# Altium PCB top_LM_v3.PcbDoc (part 5 of 6) (continued)
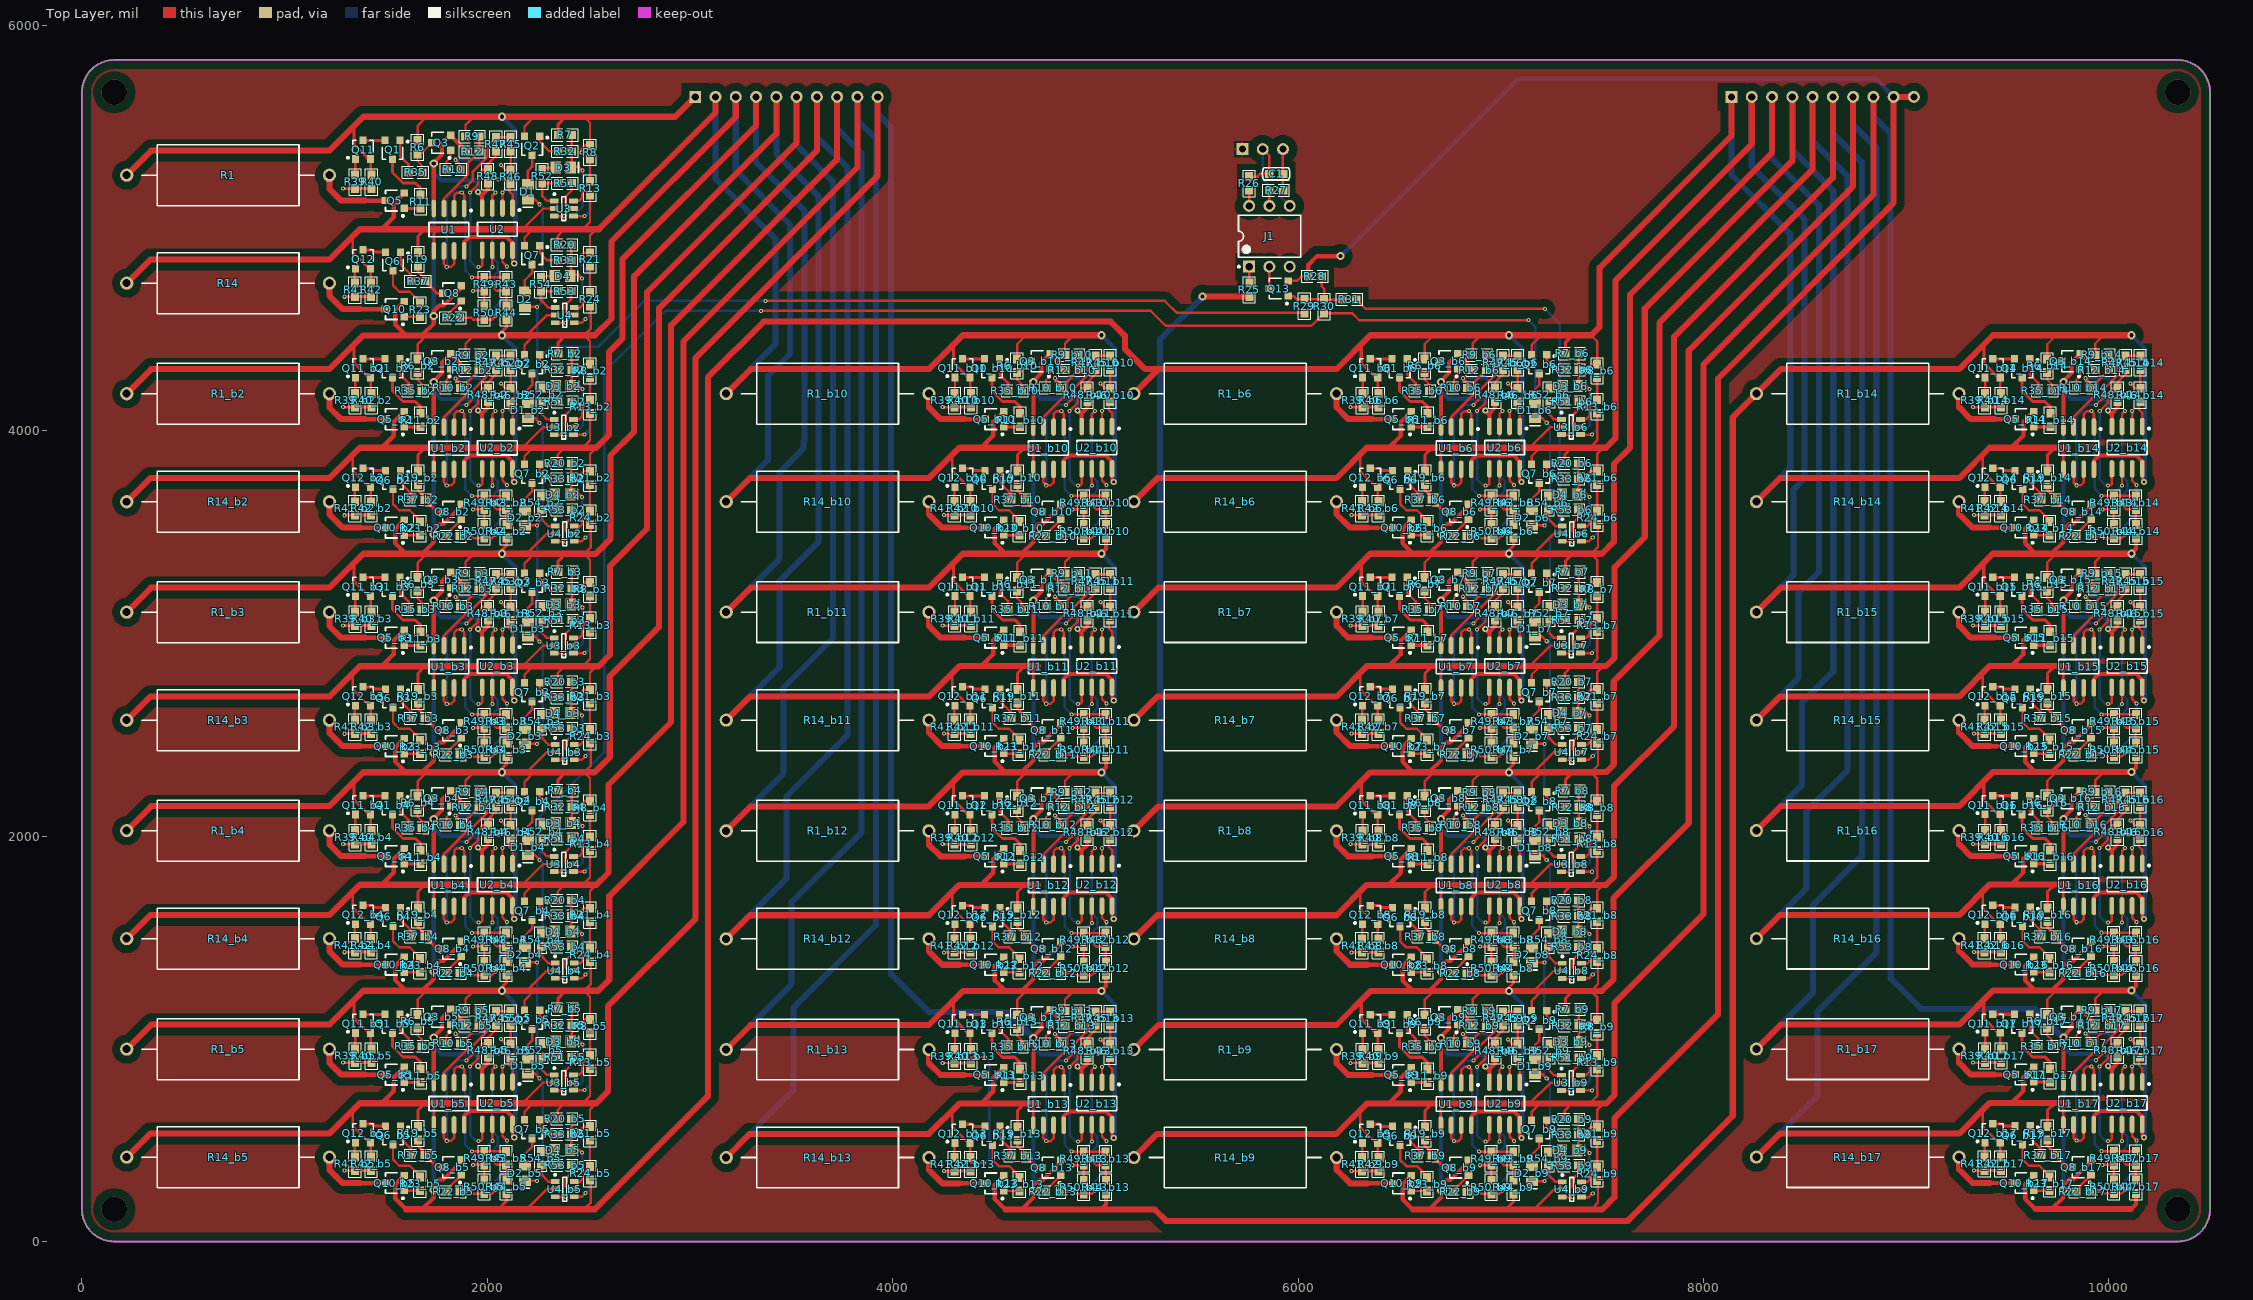
[diagram p0: Top Layer view]
## Nets (pads, with @x,y where several pads share a name; then routed paths per layer and width w, separated by ;. In a path a pad name is that pad's centre, name@x,y a point inside that pad or via, vN(x,y) a via of type N, cw(c..) or ccw(c..) an arc to the next point about the centre after c; other vN are vias at no path point) (continued)
  Top Layer w12: R22_b14.2@9838.36,3480.58 9838.36,3488.45 Q8_b14.1@9913.08,3563.18
NetQ8_b14_3: Q8_b14.3 R19_b14.1 R37_b14.1 | length 202.3
  Top Layer w15: R19_b14.1@9699.23,3734.86 R19_b14.1@9698.69,3735.39 9698.69,3707.32 9733.15,3672.86 R37_b14.1@9733.15,3660.32 9792.89,3600.58 Q8_b14.3@9820.56,3600.58
NetQ8_b15_1: Q8_b15.1 R22_b15.2 | length 113.6
  Top Layer w12: R22_b15.2@9838.11,2402.58 9838.11,2410.45 Q8_b15.1@9912.83,2485.18
NetQ8_b15_3: Q8_b15.3 R19_b15.1 R37_b15.1 | length 202.3
  Top Layer w15: R19_b15.1@9698.97,2656.86 R19_b15.1@9698.44,2657.39 9698.44,2629.32 9732.9,2594.86 R37_b15.1@9732.9,2582.32 9792.64,2522.58 Q8_b15.3@9820.31,2522.58
NetQ8_b16_1: Q8_b16.1 R22_b16.2 | length 113.6
  Top Layer w12: R22_b16.2@9838.11,1324.58 9838.11,1332.45 Q8_b16.1@9912.83,1407.18
NetQ8_b16_3: Q8_b16.3 R19_b16.1 R37_b16.1 | length 202.3
  Top Layer w15: R19_b16.1@9698.97,1578.86 R19_b16.1@9698.44,1579.39 9698.44,1551.32 9732.9,1516.86 R37_b16.1@9732.9,1504.32 9792.64,1444.58 Q8_b16.3@9820.31,1444.58
NetQ8_b17_1: Q8_b17.1 R22_b17.2 | length 113.6
  Top Layer w12: R22_b17.2@9838.11,246.58 9838.11,254.45 Q8_b17.1@9912.83,329.18
NetQ8_b17_3: Q8_b17.3 R19_b17.1 R37_b17.1 | length 202.3
  Top Layer w15: R19_b17.1@9698.97,500.86 R19_b17.1@9698.44,501.39 9698.44,473.32 9732.9,438.86 R37_b17.1@9732.9,426.32 9792.64,366.58 Q8_b17.3@9820.31,366.58
NetQ10_1: Q10.1 R23.1 | length 78.1
  Top Layer w12: Q10.1@1589.95,4563.45 R23.1@1668.01,4563.45
NetQ10_3: Q10.3 R14.1 | length 365.2
  Top Layer w22: 1372.69,4600.86 Q10.3@1497.43,4600.86
  Top Layer w30: R14.1@1220.82,4728.58 1220.82,4667.58 1287.55,4600.86 1372.69,4600.86
NetQ10_b2_1: Q10_b2.1 R23_b2.1 | length 78.1
  Top Layer w12: Q10_b2.1@1589.95,3485.13 R23_b2.1@1668.01,3485.13
NetQ10_b2_3: Q10_b2.3 R14_b2.1 | length 365.2
  Top Layer w22: 1372.69,3522.54 Q10_b2.3@1497.43,3522.53
  Top Layer w30: R14_b2.1@1220.82,3650.26 1220.82,3589.26 1287.55,3522.54 1372.69,3522.54
NetQ10_b3_1: Q10_b3.1 R23_b3.1 | length 78.1
  Top Layer w12: Q10_b3.1@1589.95,2407.13 R23_b3.1@1668.01,2407.13
NetQ10_b3_3: Q10_b3.3 R14_b3.1 | length 365.2
  Top Layer w22: 1372.69,2444.54 Q10_b3.3@1497.43,2444.53
  Top Layer w30: R14_b3.1@1220.82,2572.26 1220.82,2511.26 1287.55,2444.54 1372.69,2444.54
NetQ10_b4_1: Q10_b4.1 R23_b4.1 | length 78.1
  Top Layer w12: Q10_b4.1@1589.95,1329.13 R23_b4.1@1668.01,1329.13
NetQ10_b4_3: Q10_b4.3 R14_b4.1 | length 365.2
  Top Layer w22: 1372.69,1366.54 Q10_b4.3@1497.43,1366.54
  Top Layer w30: R14_b4.1@1220.82,1494.26 1220.82,1433.26 1287.55,1366.54 1372.69,1366.54
NetQ10_b5_1: Q10_b5.1 R23_b5.1 | length 78.1
  Top Layer w12: Q10_b5.1@1589.95,251.13 R23_b5.1@1668.01,251.13
NetQ10_b5_3: Q10_b5.3 R14_b5.1 | length 365.2
  Top Layer w22: 1372.69,288.54 Q10_b5.3@1497.43,288.53
  Top Layer w30: R14_b5.1@1220.82,416.26 1220.82,355.26 1287.55,288.54 1372.69,288.54
NetQ10_b6_1: Q10_b6.1 R23_b6.1 | length 78.1
  Top Layer w12: Q10_b6.1@6559.2,3485.45 R23_b6.1@6637.26,3485.45
NetQ10_b6_3: Q10_b6.3 R14_b6.1 | length 365.2
  Top Layer w22: 6341.94,3522.86 Q10_b6.3@6466.68,3522.86
  Top Layer w30: R14_b6.1@6190.08,3650.58 6190.08,3589.58 6256.8,3522.86 6341.94,3522.86
NetQ10_b7_1: Q10_b7.1 R23_b7.1 | length 78.1
  Top Layer w12: Q10_b7.1@6559.2,2407.45 R23_b7.1@6637.26,2407.45
NetQ10_b7_3: Q10_b7.3 R14_b7.1 | length 365.2
  Top Layer w22: 6341.94,2444.86 Q10_b7.3@6466.68,2444.86
  Top Layer w30: R14_b7.1@6190.08,2572.58 6190.08,2511.58 6256.8,2444.86 6341.94,2444.86
NetQ10_b8_1: Q10_b8.1 R23_b8.1 | length 78.1
  Top Layer w12: Q10_b8.1@6559.2,1328.45 R23_b8.1@6637.26,1328.45
NetQ10_b8_3: Q10_b8.3 R14_b8.1 | length 365.2
  Top Layer w22: 6341.94,1365.86 Q10_b8.3@6466.68,1365.86
  Top Layer w30: R14_b8.1@6190.08,1493.58 6190.08,1432.58 6256.8,1365.86 6341.94,1365.86
NetQ10_b9_1: Q10_b9.1 R23_b9.1 | length 78.1
  Top Layer w12: Q10_b9.1@6559.2,249.45 R23_b9.1@6637.26,249.45
NetQ10_b9_3: Q10_b9.3 R14_b9.1 | length 365.2
  Top Layer w22: 6341.94,286.86 Q10_b9.3@6466.68,286.86
  Top Layer w30: R14_b9.1@6190.08,414.58 6190.08,353.58 6256.8,286.86 6341.94,286.86
NetQ10_b10_1: Q10_b10.1 R23_b10.1 | length 78.1
  Top Layer w12: Q10_b10.1@4547.95,3485.45 R23_b10.1@4626.01,3485.45
NetQ10_b10_3: Q10_b10.3 R14_b10.1 | length 365.2
  Top Layer w22: 4330.69,3522.86 Q10_b10.3@4455.43,3522.86
  Top Layer w30: R14_b10.1@4178.82,3650.58 4178.82,3589.58 4245.55,3522.86 4330.69,3522.86
NetQ10_b11_1: Q10_b11.1 R23_b11.1 | length 78.1
  Top Layer w12: Q10_b11.1@4547.95,2407.45 R23_b11.1@4626.01,2407.45
NetQ10_b11_3: Q10_b11.3 R14_b11.1 | length 365.2
  Top Layer w22: 4330.69,2444.86 Q10_b11.3@4455.43,2444.86
  Top Layer w30: R14_b11.1@4178.82,2572.58 4178.82,2511.58 4245.55,2444.86 4330.69,2444.86
NetQ10_b12_1: Q10_b12.1 R23_b12.1 | length 78.1
  Top Layer w12: Q10_b12.1@4547.95,1328.45 R23_b12.1@4626.01,1328.45
NetQ10_b12_3: Q10_b12.3 R14_b12.1 | length 365.2
  Top Layer w22: 4330.69,1365.86 Q10_b12.3@4455.43,1365.86
  Top Layer w30: R14_b12.1@4178.82,1493.58 4178.82,1432.58 4245.55,1365.86 4330.69,1365.86
NetQ10_b13_1: Q10_b13.1 R23_b13.1 | length 78.1
  Top Layer w12: Q10_b13.1@4547.95,249.45 R23_b13.1@4626.01,249.45
NetQ10_b13_3: Q10_b13.3 R14_b13.1 | length 365.2
  Top Layer w22: 4330.69,286.86 Q10_b13.3@4455.43,286.86
  Top Layer w30: R14_b13.1@4178.82,414.58 4178.82,353.58 4245.55,286.86 4330.69,286.86
NetQ10_b14_1: Q10_b14.1 R23_b14.1 | length 78.1
  Top Layer w12: Q10_b14.1@9630.95,3485.45 R23_b14.1@9709.01,3485.45
NetQ10_b14_3: Q10_b14.3 R14_b14.1 | length 365.2
  Top Layer w22: 9413.69,3522.86 Q10_b14.3@9538.43,3522.86
  Top Layer w30: R14_b14.1@9261.82,3650.58 9261.82,3589.58 9328.55,3522.86 9413.69,3522.86
NetQ10_b15_1: Q10_b15.1 R23_b15.1 | length 78.1
  Top Layer w12: Q10_b15.1@9630.7,2407.45 R23_b15.1@9708.76,2407.45
NetQ10_b15_3: Q10_b15.3 R14_b15.1 | length 365.2
  Top Layer w22: 9413.44,2444.86 Q10_b15.3@9538.18,2444.86
  Top Layer w30: R14_b15.1@9261.57,2572.58 9261.57,2511.58 9328.3,2444.86 9413.44,2444.86
NetQ10_b16_1: Q10_b16.1 R23_b16.1 | length 78.1
  Top Layer w12: Q10_b16.1@9630.7,1329.45 R23_b16.1@9708.76,1329.45
NetQ10_b16_3: Q10_b16.3 R14_b16.1 | length 365.2
  Top Layer w22: 9413.44,1366.86 Q10_b16.3@9538.18,1366.86
  Top Layer w30: R14_b16.1@9261.57,1494.58 9261.57,1433.58 9328.3,1366.86 9413.44,1366.86
NetQ10_b17_1: Q10_b17.1 R23_b17.1 | length 78.1
  Top Layer w12: Q10_b17.1@9630.7,251.45 R23_b17.1@9708.76,251.45
NetQ10_b17_3: Q10_b17.3 R14_b17.1 | length 365.2
  Top Layer w22: 9413.44,288.86 Q10_b17.3@9538.18,288.86
  Top Layer w30: R14_b17.1@9261.57,416.58 9261.57,355.58 9328.3,288.86 9413.44,288.86
NetQ11_1: Q11.1 R39.2 | length 79.9
  Top Layer w12: R39.2@1347.82,5262.05 1349.42,5263.64 Q11.1@1349.42,5341.32
NetQ11_b2_1: Q11_b2.1 R39_b2.2 | length 79.9
  Top Layer w12: R39_b2.2@1347.82,4183.72 1349.42,4185.32 Q11_b2.1@1349.42,4263
NetQ11_b3_1: Q11_b3.1 R39_b3.2 | length 79.9
  Top Layer w12: R39_b3.2@1347.82,3105.72 1349.42,3107.32 Q11_b3.1@1349.42,3185
NetQ11_b4_1: Q11_b4.1 R39_b4.2 | length 79.9
  Top Layer w12: R39_b4.2@1347.82,2027.72 1349.42,2029.32 Q11_b4.1@1349.42,2107
NetQ11_b5_1: Q11_b5.1 R39_b5.2 | length 79.9
  Top Layer w12: R39_b5.2@1347.82,949.72 1349.42,951.32 Q11_b5.1@1349.42,1029
NetQ11_b6_1: Q11_b6.1 R39_b6.2 | length 79.9
  Top Layer w12: R39_b6.2@6317.08,4184.05 6318.67,4185.64 Q11_b6.1@6318.67,4263.32
NetQ11_b7_1: Q11_b7.1 R39_b7.2 | length 79.9
  Top Layer w12: R39_b7.2@6317.08,3106.05 6318.67,3107.64 Q11_b7.1@6318.67,3185.32
NetQ11_b8_1: Q11_b8.1 R39_b8.2 | length 79.9
  Top Layer w12: R39_b8.2@6317.08,2027.05 6318.67,2028.64 Q11_b8.1@6318.67,2106.32
NetQ11_b9_1: Q11_b9.1 R39_b9.2 | length 79.9
  Top Layer w12: R39_b9.2@6317.08,948.05 6318.67,949.64 Q11_b9.1@6318.67,1027.32
NetQ11_b10_1: Q11_b10.1 R39_b10.2 | length 79.9
  Top Layer w12: R39_b10.2@4305.82,4184.05 4307.42,4185.64 Q11_b10.1@4307.42,4263.32
NetQ11_b11_1: Q11_b11.1 R39_b11.2 | length 79.9
  Top Layer w12: R39_b11.2@4305.82,3106.05 4307.42,3107.64 Q11_b11.1@4307.42,3185.32
NetQ11_b12_1: Q11_b12.1 R39_b12.2 | length 79.9
  Top Layer w12: R39_b12.2@4305.82,2027.05 4307.42,2028.64 Q11_b12.1@4307.42,2106.32
NetQ11_b13_1: Q11_b13.1 R39_b13.2 | length 79.9
  Top Layer w12: R39_b13.2@4305.82,948.05 4307.42,949.64 Q11_b13.1@4307.42,1027.32
NetQ11_b14_1: Q11_b14.1 R39_b14.2 | length 79.9
  Top Layer w12: R39_b14.2@9388.82,4184.05 9390.42,4185.64 Q11_b14.1@9390.42,4263.32
NetQ11_b15_1: Q11_b15.1 R39_b15.2 | length 79.9
  Top Layer w12: R39_b15.2@9388.57,3106.05 9390.17,3107.64 Q11_b15.1@9390.17,3185.32
NetQ11_b16_1: Q11_b16.1 R39_b16.2 | length 79.9
  Top Layer w12: R39_b16.2@9388.57,2028.05 9390.17,2029.64 Q11_b16.1@9390.17,2107.32
NetQ11_b17_1: Q11_b17.1 R39_b17.2 | length 79.9
  Top Layer w12: R39_b17.2@9388.57,950.05 9390.17,951.64 Q11_b17.1@9390.17,1029.32
NetQ12_1: Q12.1 R41.1 | length 72.4
  Top Layer w12: R41.1@1346.82,4729.05 1346.82,4797.72 Q12.1@1349.42,4800.32
NetQ12_b2_1: Q12_b2.1 R41_b2.1 | length 72.4
  Top Layer w12: R41_b2.1@1346.82,3650.72 1346.82,3719.4 Q12_b2.1@1349.42,3722
NetQ12_b3_1: Q12_b3.1 R41_b3.1 | length 72.4
  Top Layer w12: R41_b3.1@1346.82,2572.72 1346.82,2641.4 Q12_b3.1@1349.42,2644
NetQ12_b4_1: Q12_b4.1 R41_b4.1 | length 72.4
  Top Layer w12: R41_b4.1@1346.82,1494.72 1346.82,1563.4 Q12_b4.1@1349.42,1566
NetQ12_b5_1: Q12_b5.1 R41_b5.1 | length 72.4
  Top Layer w12: R41_b5.1@1346.82,416.72 1346.82,485.4 Q12_b5.1@1349.42,488
NetQ12_b6_1: Q12_b6.1 R41_b6.1 | length 72.4
  Top Layer w12: R41_b6.1@6316.08,3651.05 6316.08,3719.72 Q12_b6.1@6318.67,3722.32
NetQ12_b7_1: Q12_b7.1 R41_b7.1 | length 72.4
  Top Layer w12: R41_b7.1@6316.08,2573.05 6316.08,2641.72 Q12_b7.1@6318.67,2644.32
NetQ12_b8_1: Q12_b8.1 R41_b8.1 | length 72.4
  Top Layer w12: R41_b8.1@6316.08,1494.05 6316.08,1562.72 Q12_b8.1@6318.67,1565.32
NetQ12_b9_1: Q12_b9.1 R41_b9.1 | length 72.4
  Top Layer w12: R41_b9.1@6316.08,415.05 6316.08,483.72 Q12_b9.1@6318.67,486.32
NetQ12_b10_1: Q12_b10.1 R41_b10.1 | length 72.4
  Top Layer w12: R41_b10.1@4304.82,3651.05 4304.82,3719.72 Q12_b10.1@4307.42,3722.32
NetQ12_b11_1: Q12_b11.1 R41_b11.1 | length 72.4
  Top Layer w12: R41_b11.1@4304.82,2573.05 4304.82,2641.72 Q12_b11.1@4307.42,2644.32
NetQ12_b12_1: Q12_b12.1 R41_b12.1 | length 72.4
  Top Layer w12: R41_b12.1@4304.82,1494.05 4304.82,1562.72 Q12_b12.1@4307.42,1565.32
NetQ12_b13_1: Q12_b13.1 R41_b13.1 | length 72.4
  Top Layer w12: R41_b13.1@4304.82,415.05 4304.82,483.72 Q12_b13.1@4307.42,486.32
NetQ12_b14_1: Q12_b14.1 R41_b14.1 | length 72.4
  Top Layer w12: R41_b14.1@9387.82,3651.05 9387.82,3719.72 Q12_b14.1@9390.42,3722.32
NetQ12_b15_1: Q12_b15.1 R41_b15.1 | length 72.4
  Top Layer w12: R41_b15.1@9387.57,2573.05 9387.57,2641.72 Q12_b15.1@9390.17,2644.32
NetQ12_b16_1: Q12_b16.1 R41_b16.1 | length 72.4
  Top Layer w12: R41_b16.1@9387.57,1495.05 9387.57,1563.72 Q12_b16.1@9390.17,1566.32
NetQ12_b17_1: Q12_b17.1 R41_b17.1 | length 72.4
  Top Layer w12: R41_b17.1@9387.57,417.05 9387.57,485.72 Q12_b17.1@9390.17,488.32
NetQ13_1: Q13.1 R28.2 R29.2 R30.2 R31.2 | length 394.2
  Top Layer w12: Q13.1@5951.08,4664.92 5979.23,4664.92 5995.36,4648.79 R29.2@6031.82,4648.79 R30.2@6128.82,4648.79 ; R28.2@6117.29,4762.32 6117.29,4712.86 6128.82,4701.32 R30.2@6128.82,4648.79 ; R31.2@6219.32,4647.79 R30.2@6128.82,4647.79 R30.2@6128.82,4648.79
NetR43_2: R43.2 R44.1 U2.3 | length 718.1
  Top Layer w12: U2.3@2024.82,5099.34 2024.82,5161.58 v1(2039.82,5176.58) ; v1(2033.82,4730.58) 2033.82,4703.58 2046.82,4690.58 2092.36,4690.58 R43.2@2092.82,4690.12 R44.1@2092.82,4617.05
  Bottom Layer w12: v1(2033.82,4730.58) 2033.82,4766.58 2050.82,4783.58 2050.82,4829.58 2024.82,4855.58 2024.82,5161.58 v1(2039.82,5176.58)
NetR43_b2_2: R43_b2.2 R44_b2.1 U2_b2.3 | length 718.1
  Top Layer w12: U2_b2.3@2024.82,4021.02 2024.82,4083.26 v1(2039.82,4098.26) ; v1(2033.82,3652.26) 2033.82,3625.26 2046.82,3612.26 2092.36,3612.26 R43_b2.2@2092.82,3611.8 R44_b2.1@2092.82,3538.72
  Bottom Layer w12: v1(2033.82,3652.26) 2033.82,3688.26 2050.82,3705.26 2050.82,3751.26 2024.82,3777.26 2024.82,4083.26 v1(2039.82,4098.26)
NetR43_b3_2: R43_b3.2 R44_b3.1 U2_b3.3 | length 718.1
  Top Layer w12: U2_b3.3@2024.82,2943.02 2024.82,3005.26 v1(2039.82,3020.26) ; v1(2033.82,2574.26) 2033.82,2547.26 2046.82,2534.26 2092.36,2534.26 R43_b3.2@2092.82,2533.8 R44_b3.1@2092.82,2460.72
  Bottom Layer w12: v1(2033.82,2574.26) 2033.82,2610.26 2050.82,2627.26 2050.82,2673.26 2024.82,2699.26 2024.82,3005.26 v1(2039.82,3020.26)
NetR43_b4_2: R43_b4.2 R44_b4.1 U2_b4.3 | length 718.1
  Top Layer w12: U2_b4.3@2024.82,1865.02 2024.82,1927.26 v1(2039.82,1942.26) ; v1(2033.82,1496.26) 2033.82,1469.26 2046.82,1456.26 2092.36,1456.26 R43_b4.2@2092.82,1455.8 R44_b4.1@2092.82,1382.72
  Bottom Layer w12: v1(2033.82,1496.26) 2033.82,1532.26 2050.82,1549.26 2050.82,1595.26 2024.82,1621.26 2024.82,1927.26 v1(2039.82,1942.26)
NetR43_b5_2: R43_b5.2 R44_b5.1 U2_b5.3 | length 718.1
  Top Layer w12: U2_b5.3@2024.82,787.02 2024.82,849.26 v1(2039.82,864.26) ; v1(2033.82,418.26) 2033.82,391.26 2046.82,378.26 2092.36,378.26 R43_b5.2@2092.82,377.8 R44_b5.1@2092.82,304.72
  Bottom Layer w12: v1(2033.82,418.26) 2033.82,454.26 2050.82,471.26 2050.82,517.26 2024.82,543.26 2024.82,849.26 v1(2039.82,864.26)
NetR43_b6_2: R43_b6.2 R44_b6.1 U2_b6.3 | length 718.1
  Top Layer w12: U2_b6.3@6994.08,4021.34 6994.08,4083.58 v1(7009.08,4098.58) ; v1(7003.08,3652.58) 7003.08,3625.58 7016.08,3612.58 7061.61,3612.58 R43_b6.2@7062.08,3612.12 R44_b6.1@7062.08,3539.05
  Bottom Layer w12: v1(7003.08,3652.58) 7003.08,3688.58 7020.08,3705.58 7020.08,3751.58 6994.08,3777.58 6994.08,4083.58 v1(7009.08,4098.58)
NetR43_b7_2: R43_b7.2 R44_b7.1 U2_b7.3 | length 718.1
  Top Layer w12: U2_b7.3@6994.08,2943.34 6994.08,3005.58 v1(7009.08,3020.58) ; v1(7003.08,2574.58) 7003.08,2547.58 7016.08,2534.58 7061.61,2534.58 R43_b7.2@7062.08,2534.12 R44_b7.1@7062.08,2461.05
  Bottom Layer w12: v1(7003.08,2574.58) 7003.08,2610.58 7020.08,2627.58 7020.08,2673.58 6994.08,2699.58 6994.08,3005.58 v1(7009.08,3020.58)
NetR43_b8_2: R43_b8.2 R44_b8.1 U2_b8.3 | length 718.1
  Top Layer w12: U2_b8.3@6994.08,1864.34 6994.08,1926.58 v1(7009.08,1941.58) ; v1(7003.08,1495.58) 7003.08,1468.58 7016.08,1455.58 7061.61,1455.58 R43_b8.2@7062.08,1455.12 R44_b8.1@7062.08,1382.05
  Bottom Layer w12: v1(7003.08,1495.58) 7003.08,1531.58 7020.08,1548.58 7020.08,1594.58 6994.08,1620.58 6994.08,1926.58 v1(7009.08,1941.58)
NetR43_b9_2: R43_b9.2 R44_b9.1 U2_b9.3 | length 718.1
  Top Layer w12: U2_b9.3@6994.08,785.34 6994.08,847.58 v1(7009.08,862.58) ; v1(7003.08,416.58) 7003.08,389.58 7016.08,376.58 7061.61,376.58 R43_b9.2@7062.08,376.12 R44_b9.1@7062.08,303.05
  Bottom Layer w12: v1(7003.08,416.58) 7003.08,452.58 7020.08,469.58 7020.08,515.58 6994.08,541.58 6994.08,847.58 v1(7009.08,862.58)
NetR43_b10_2: R43_b10.2 R44_b10.1 U2_b10.3 | length 718.1
  Top Layer w12: U2_b10.3@4982.82,4021.34 4982.82,4083.58 v1(4997.82,4098.58) ; v1(4991.82,3652.58) 4991.82,3625.58 5004.82,3612.58 5050.36,3612.58 R43_b10.2@5050.82,3612.12 R44_b10.1@5050.82,3539.05
  Bottom Layer w12: v1(4991.82,3652.58) 4991.82,3688.58 5008.82,3705.58 5008.82,3751.58 4982.82,3777.58 4982.82,4083.58 v1(4997.82,4098.58)
NetR43_b11_2: R43_b11.2 R44_b11.1 U2_b11.3 | length 718.1
  Top Layer w12: U2_b11.3@4982.82,2943.34 4982.82,3005.58 v1(4997.82,3020.58) ; v1(4991.82,2574.58) 4991.82,2547.58 5004.82,2534.58 5050.36,2534.58 R43_b11.2@5050.82,2534.12 R44_b11.1@5050.82,2461.05
  Bottom Layer w12: v1(4991.82,2574.58) 4991.82,2610.58 5008.82,2627.58 5008.82,2673.58 4982.82,2699.58 4982.82,3005.58 v1(4997.82,3020.58)
NetR43_b12_2: R43_b12.2 R44_b12.1 U2_b12.3 | length 718.1
  Top Layer w12: U2_b12.3@4982.82,1864.34 4982.82,1926.58 v1(4997.82,1941.58) ; v1(4991.82,1495.58) 4991.82,1468.58 5004.82,1455.58 5050.36,1455.58 R43_b12.2@5050.82,1455.12 R44_b12.1@5050.82,1382.05
  Bottom Layer w12: v1(4991.82,1495.58) 4991.82,1531.58 5008.82,1548.58 5008.82,1594.58 4982.82,1620.58 4982.82,1926.58 v1(4997.82,1941.58)
NetR43_b13_2: R43_b13.2 R44_b13.1 U2_b13.3 | length 718.1
  Top Layer w12: U2_b13.3@4982.82,785.34 4982.82,847.58 v1(4997.82,862.58) ; v1(4991.82,416.58) 4991.82,389.58 5004.82,376.58 5050.36,376.58 R43_b13.2@5050.82,376.12 R44_b13.1@5050.82,303.05
  Bottom Layer w12: v1(4991.82,416.58) 4991.82,452.58 5008.82,469.58 5008.82,515.58 4982.82,541.58 4982.82,847.58 v1(4997.82,862.58)
NetR43_b14_2: R43_b14.2 R44_b14.1 U2_b14.3 | length 718.1
  Top Layer w12: U2_b14.3@10065.82,4021.34 10065.82,4083.58 v1(10080.82,4098.58) ; v1(10074.82,3652.58) 10074.82,3625.58 10087.82,3612.58 10133.36,3612.58 R43_b14.2@10133.82,3612.12 R44_b14.1@10133.82,3539.05
  Bottom Layer w12: v1(10074.82,3652.58) 10074.82,3688.58 10091.82,3705.58 10091.82,3751.58 10065.82,3777.58 10065.82,4083.58 v1(10080.82,4098.58)
NetR43_b15_2: R43_b15.2 R44_b15.1 U2_b15.3 | length 718.1
  Top Layer w12: U2_b15.3@10065.57,2943.34 10065.57,3005.58 v1(10080.57,3020.58) ; v1(10074.57,2574.58) 10074.57,2547.58 10087.57,2534.58 10133.11,2534.58 R43_b15.2@10133.57,2534.12 R44_b15.1@10133.57,2461.05
  Bottom Layer w12: v1(10074.57,2574.58) 10074.57,2610.58 10091.57,2627.58 10091.57,2673.58 10065.57,2699.58 10065.57,3005.58 v1(10080.57,3020.58)
NetR43_b16_2: R43_b16.2 R44_b16.1 U2_b16.3 | length 718.1
  Top Layer w12: U2_b16.3@10065.57,1865.34 10065.57,1927.58 v1(10080.57,1942.58) ; v1(10074.57,1496.58) 10074.57,1469.58 10087.57,1456.58 10133.11,1456.58 R43_b16.2@10133.57,1456.12 R44_b16.1@10133.57,1383.05
  Bottom Layer w12: v1(10074.57,1496.58) 10074.57,1532.58 10091.57,1549.58 10091.57,1595.58 10065.57,1621.58 10065.57,1927.58 v1(10080.57,1942.58)
NetR43_b17_2: R43_b17.2 R44_b17.1 U2_b17.3 | length 718.1
  Top Layer w12: U2_b17.3@10065.57,787.34 10065.57,849.58 v1(10080.57,864.58) ; v1(10074.57,418.58) 10074.57,391.58 10087.57,378.58 10133.11,378.58 R43_b17.2@10133.57,378.12 R44_b17.1@10133.57,305.05
  Bottom Layer w12: v1(10074.57,418.58) 10074.57,454.58 10091.57,471.58 10091.57,517.58 10065.57,543.58 10065.57,849.58 v1(10080.57,864.58)
NetR45_2: R45.2 R46.1 U2.2 | length 382.9
  Top Layer w12: v1(2066.82,5311.58) 2090.36,5288.05 R46.1@2114.82,5288.05 R45.2@2114.82,5381.12 ; U2.2@2074.82,5099.34 v1(2074.82,5175.58)
  Bottom Layer w12: v1(2066.82,5311.58) 2094.82,5283.58 2094.82,5195.58 v1(2074.82,5175.58)
NetR45_b2_2: R45_b2.2 R46_b2.1 U2_b2.2 | length 382.9
  Top Layer w12: v1(2066.82,4233.26) 2090.36,4209.72 R46_b2.1@2114.82,4209.72 R45_b2.2@2114.82,4302.8 ; U2_b2.2@2074.82,4021.02 v1(2074.82,4097.26)
  Bottom Layer w12: v1(2066.82,4233.26) 2094.82,4205.26 2094.82,4117.26 v1(2074.82,4097.26)
NetR45_b3_2: R45_b3.2 R46_b3.1 U2_b3.2 | length 382.9
  Top Layer w12: v1(2066.82,3155.26) 2090.36,3131.72 R46_b3.1@2114.82,3131.72 R45_b3.2@2114.82,3224.8 ; U2_b3.2@2074.82,2943.02 v1(2074.82,3019.26)
  Bottom Layer w12: v1(2066.82,3155.26) 2094.82,3127.26 2094.82,3039.26 v1(2074.82,3019.26)
NetR45_b4_2: R45_b4.2 R46_b4.1 U2_b4.2 | length 382.9
  Top Layer w12: v1(2066.82,2077.26) 2090.36,2053.72 R46_b4.1@2114.82,2053.72 R45_b4.2@2114.82,2146.8 ; U2_b4.2@2074.82,1865.02 v1(2074.82,1941.26)
  Bottom Layer w12: v1(2066.82,2077.26) 2094.82,2049.26 2094.82,1961.26 v1(2074.82,1941.26)
NetR45_b5_2: R45_b5.2 R46_b5.1 U2_b5.2 | length 382.9
  Top Layer w12: v1(2066.82,999.26) 2090.36,975.72 R46_b5.1@2114.82,975.72 R45_b5.2@2114.82,1068.8 ; U2_b5.2@2074.82,787.02 v1(2074.82,863.26)
  Bottom Layer w12: v1(2066.82,999.26) 2094.82,971.26 2094.82,883.26 v1(2074.82,863.26)
NetR45_b6_2: R45_b6.2 R46_b6.1 U2_b6.2 | length 382.9
  Top Layer w12: v1(7036.08,4233.58) 7059.61,4210.05 R46_b6.1@7084.08,4210.05 R45_b6.2@7084.08,4303.12 ; U2_b6.2@7044.08,4021.34 v1(7044.08,4097.58)
  Bottom Layer w12: v1(7036.08,4233.58) 7064.08,4205.58 7064.08,4117.58 v1(7044.08,4097.58)
NetR45_b7_2: R45_b7.2 R46_b7.1 U2_b7.2 | length 382.9
  Top Layer w12: v1(7036.08,3155.58) 7059.61,3132.05 R46_b7.1@7084.08,3132.05 R45_b7.2@7084.08,3225.12 ; U2_b7.2@7044.08,2943.34 v1(7044.08,3019.58)
  Bottom Layer w12: v1(7036.08,3155.58) 7064.08,3127.58 7064.08,3039.58 v1(7044.08,3019.58)
NetR45_b8_2: R45_b8.2 R46_b8.1 U2_b8.2 | length 382.9
  Top Layer w12: v1(7036.08,2076.58) 7059.61,2053.05 R46_b8.1@7084.08,2053.05 R45_b8.2@7084.08,2146.12 ; U2_b8.2@7044.08,1864.34 v1(7044.08,1940.58)
  Bottom Layer w12: v1(7036.08,2076.58) 7064.08,2048.58 7064.08,1960.58 v1(7044.08,1940.58)
NetR45_b9_2: R45_b9.2 R46_b9.1 U2_b9.2 | length 382.9
  Top Layer w12: v1(7036.08,997.58) 7059.61,974.05 R46_b9.1@7084.08,974.05 R45_b9.2@7084.08,1067.12 ; U2_b9.2@7044.08,785.34 v1(7044.08,861.58)
  Bottom Layer w12: v1(7036.08,997.58) 7064.08,969.58 7064.08,881.58 v1(7044.08,861.58)
NetR45_b10_2: R45_b10.2 R46_b10.1 U2_b10.2 | length 382.9
  Top Layer w12: v1(5024.82,4233.58) 5048.36,4210.05 R46_b10.1@5072.82,4210.05 R45_b10.2@5072.82,4303.12 ; U2_b10.2@5032.82,4021.34 v1(5032.82,4097.58)
  Bottom Layer w12: v1(5024.82,4233.58) 5052.82,4205.58 5052.82,4117.58 v1(5032.82,4097.58)
NetR45_b11_2: R45_b11.2 R46_b11.1 U2_b11.2 | length 382.9
  Top Layer w12: v1(5024.82,3155.58) 5048.36,3132.05 R46_b11.1@5072.82,3132.05 R45_b11.2@5072.82,3225.12 ; U2_b11.2@5032.82,2943.34 v1(5032.82,3019.58)
  Bottom Layer w12: v1(5024.82,3155.58) 5052.82,3127.58 5052.82,3039.58 v1(5032.82,3019.58)
NetR45_b12_2: R45_b12.2 R46_b12.1 U2_b12.2 | length 382.9
  Top Layer w12: v1(5024.82,2076.58) 5048.36,2053.05 R46_b12.1@5072.82,2053.05 R45_b12.2@5072.82,2146.12 ; U2_b12.2@5032.82,1864.34 v1(5032.82,1940.58)
  Bottom Layer w12: v1(5024.82,2076.58) 5052.82,2048.58 5052.82,1960.58 v1(5032.82,1940.58)
NetR45_b13_2: R45_b13.2 R46_b13.1 U2_b13.2 | length 382.9
  Top Layer w12: v1(5024.82,997.58) 5048.36,974.05 R46_b13.1@5072.82,974.05 R45_b13.2@5072.82,1067.12 ; U2_b13.2@5032.82,785.34 v1(5032.82,861.58)
  Bottom Layer w12: v1(5024.82,997.58) 5052.82,969.58 5052.82,881.58 v1(5032.82,861.58)
NetR45_b14_2: R45_b14.2 R46_b14.1 U2_b14.2 | length 382.9
  Top Layer w12: v1(10107.82,4233.58) 10131.36,4210.05 R46_b14.1@10155.82,4210.05 R45_b14.2@10155.82,4303.12 ; U2_b14.2@10115.82,4021.34 v1(10115.82,4097.58)
  Bottom Layer w12: v1(10107.82,4233.58) 10135.82,4205.58 10135.82,4117.58 v1(10115.82,4097.58)
NetR45_b15_2: R45_b15.2 R46_b15.1 U2_b15.2 | length 382.9
  Top Layer w12: v1(10107.57,3155.58) 10131.11,3132.05 R46_b15.1@10155.57,3132.05 R45_b15.2@10155.57,3225.12 ; U2_b15.2@10115.57,2943.34 v1(10115.57,3019.58)
  Bottom Layer w12: v1(10107.57,3155.58) 10135.57,3127.58 10135.57,3039.58 v1(10115.57,3019.58)
NetR45_b16_2: R45_b16.2 R46_b16.1 U2_b16.2 | length 382.9
  Top Layer w12: v1(10107.57,2077.58) 10131.11,2054.05 R46_b16.1@10155.57,2054.05 R45_b16.2@10155.57,2147.12 ; U2_b16.2@10115.57,1865.34 v1(10115.57,1941.58)
  Bottom Layer w12: v1(10107.57,2077.58) 10135.57,2049.58 10135.57,1961.58 v1(10115.57,1941.58)
NetR45_b17_2: R45_b17.2 R46_b17.1 U2_b17.2 | length 382.9
  Top Layer w12: v1(10107.57,999.58) 10131.11,976.05 R46_b17.1@10155.57,976.05 R45_b17.2@10155.57,1069.12 ; U2_b17.2@10115.57,787.34 v1(10115.57,863.58)
  Bottom Layer w12: v1(10107.57,999.58) 10135.57,971.58 10135.57,883.58 v1(10115.57,863.58)
NetR47_2: R47.2 R48.1 U2.5 | length 759.5
  Top Layer w12: v1(1914.82,5175.58) 1955.82,5216.58 1955.82,5265.58 1979.29,5289.05 R48.1@2002.82,5289.05 2002.82,5317.58 2042.82,5357.58 R47.2@2042.82,5381.12 ; v1(1955.82,4808.58) 1966.82,4808.58 1974.82,4816.58 U2.5@1974.82,4890.37
  Bottom Layer w12: v1(1914.82,5175.58) 1914.82,4837.58 1943.82,4808.58 v1(1955.82,4808.58)
NetR47_b2_2: R47_b2.2 R48_b2.1 U2_b2.5 | length 759.5
  Top Layer w12: v1(1914.82,4097.26) 1955.82,4138.26 1955.82,4187.26 1979.29,4210.72 R48_b2.1@2002.82,4210.72 2002.82,4239.26 2042.82,4279.26 R47_b2.2@2042.82,4302.8 ; v1(1955.82,3730.26) 1966.82,3730.26 1974.82,3738.26 U2_b2.5@1974.82,3812.05
  Bottom Layer w12: v1(1914.82,4097.26) 1914.82,3759.26 1943.82,3730.26 v1(1955.82,3730.26)
NetR47_b3_2: R47_b3.2 R48_b3.1 U2_b3.5 | length 759.5
  Top Layer w12: v1(1914.82,3019.26) 1955.82,3060.26 1955.82,3109.26 1979.29,3132.72 R48_b3.1@2002.82,3132.72 2002.82,3161.26 2042.82,3201.26 R47_b3.2@2042.82,3224.8 ; v1(1955.82,2652.26) 1966.82,2652.26 1974.82,2660.26 U2_b3.5@1974.82,2734.05
  Bottom Layer w12: v1(1914.82,3019.26) 1914.82,2681.26 1943.82,2652.26 v1(1955.82,2652.26)
NetR47_b4_2: R47_b4.2 R48_b4.1 U2_b4.5 | length 759.5
  Top Layer w12: v1(1914.82,1941.26) 1955.82,1982.26 1955.82,2031.26 1979.29,2054.72 R48_b4.1@2002.82,2054.72 2002.82,2083.26 2042.82,2123.26 R47_b4.2@2042.82,2146.8 ; v1(1955.82,1574.26) 1966.82,1574.26 1974.82,1582.26 U2_b4.5@1974.82,1656.05
  Bottom Layer w12: v1(1914.82,1941.26) 1914.82,1603.26 1943.82,1574.26 v1(1955.82,1574.26)
NetR47_b5_2: R47_b5.2 R48_b5.1 U2_b5.5 | length 759.5
  Top Layer w12: v1(1914.82,863.26) 1955.82,904.26 1955.82,953.26 1979.29,976.72 R48_b5.1@2002.82,976.72 2002.82,1005.26 2042.82,1045.26 R47_b5.2@2042.82,1068.8 ; v1(1955.82,496.26) 1966.82,496.26 1974.82,504.26 U2_b5.5@1974.82,578.05
  Bottom Layer w12: v1(1914.82,863.26) 1914.82,525.26 1943.82,496.26 v1(1955.82,496.26)
NetR47_b6_2: R47_b6.2 R48_b6.1 U2_b6.5 | length 759.5
  Top Layer w12: v1(6884.08,4097.58) 6925.08,4138.58 6925.08,4187.58 6948.54,4211.05 R48_b6.1@6972.08,4211.05 6972.08,4239.58 7012.08,4279.58 R47_b6.2@7012.08,4303.12 ; v1(6925.08,3730.58) 6936.08,3730.58 6944.08,3738.58 U2_b6.5@6944.08,3812.37
  Bottom Layer w12: v1(6884.08,4097.58) 6884.08,3759.58 6913.08,3730.58 v1(6925.08,3730.58)